# KiCad board k30p-VME.kicad_pcb
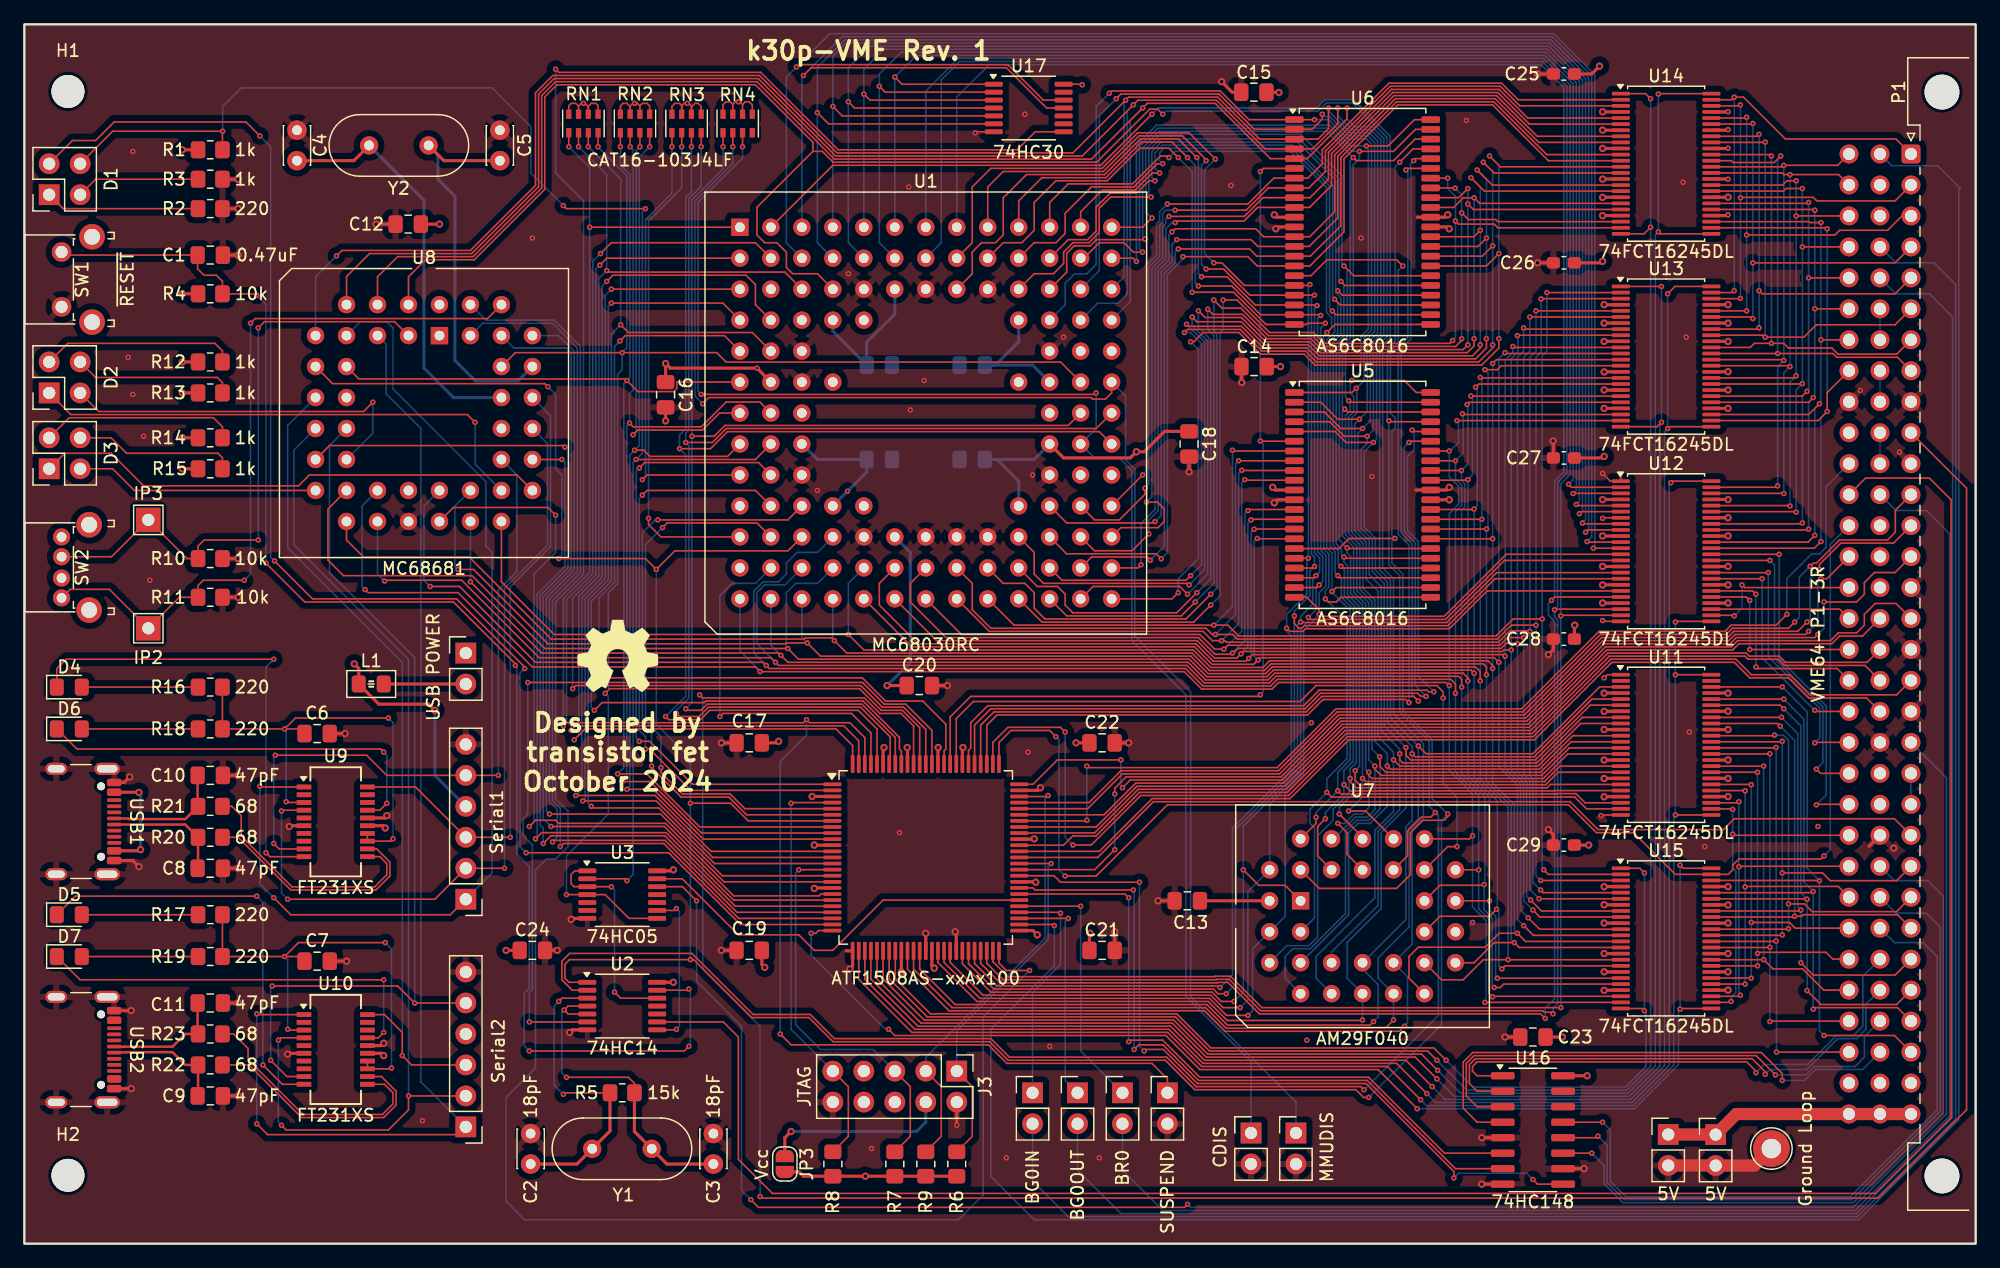
[diagram p0: board, top side]
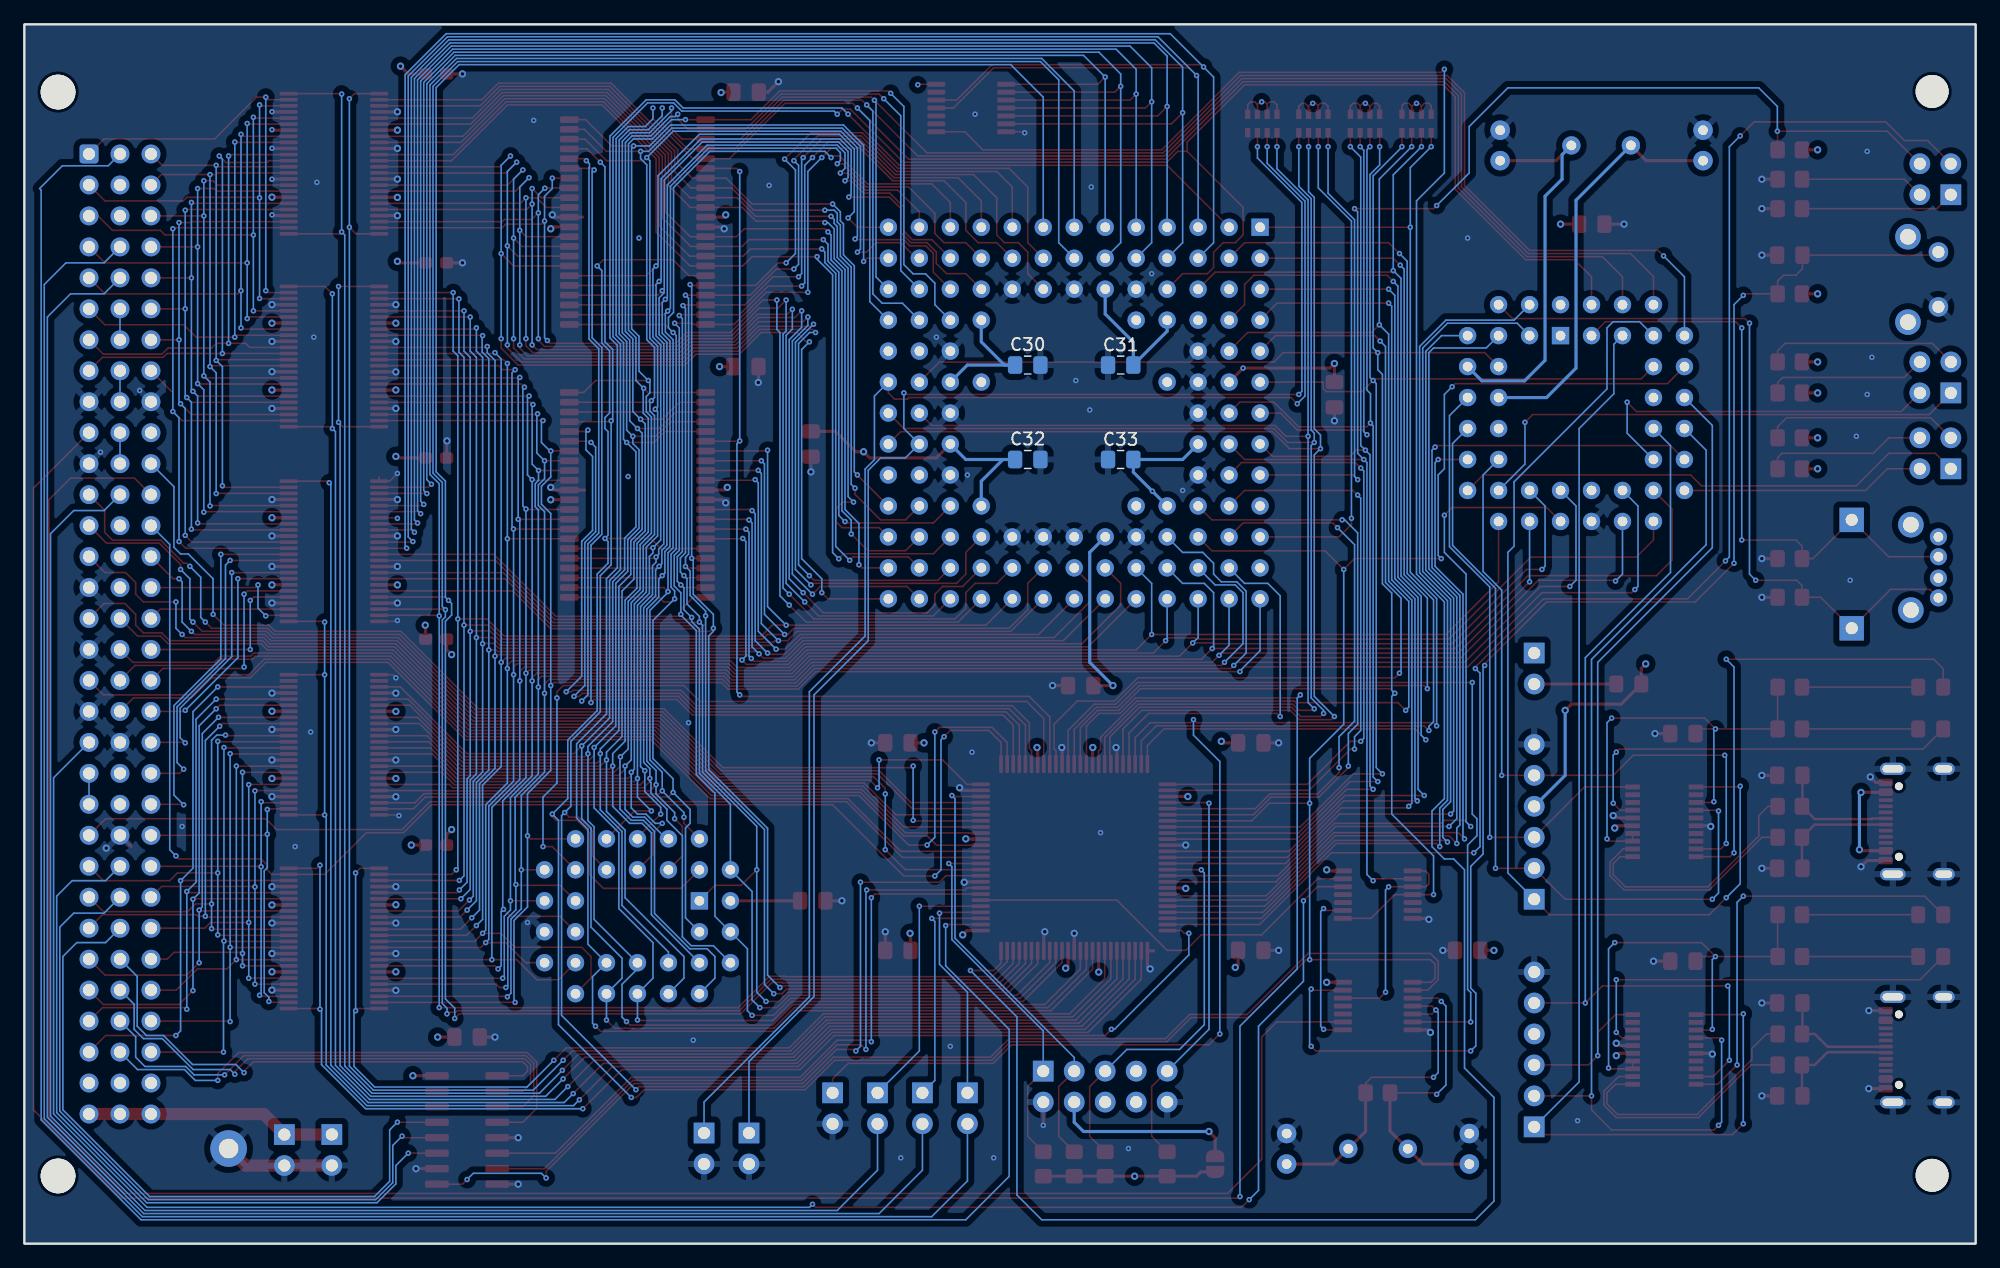
[diagram p1: board, bottom side, seen from below]

Outline 160 x 100 mm; copper layers: Top, In1.Cu, In2.Cu, Bottom. Coordinates in mm from the lower left corner of the outline.
Outline path: rectangle 0,100 160,0
Stack: Top 0.035mm / dielectric 0.1mm FR4 er 4.5 / In1.Cu 0.035mm / dielectric 1.24mm FR4 er 4.5 / In2.Cu 0.035mm / dielectric 0.1mm FR4 er 4.5 / Bottom 0.035mm

## Placement (name value [footprint] x y rotation side)
C1  0.47uF  [C_0805_2012Metric_Pad1.18x1.45mm_HandSolder]  15.24 81.08 0 top
C2  18pF  [C_Disc_D3.0mm_W2.0mm_P2.50mm]  41.51 6.53 90 top
C3  18pF  [C_Disc_D3.0mm_W2.0mm_P2.50mm]  56.5 6.53 90 top
C4  15pF  [C_Disc_D3.0mm_W2.0mm_P2.50mm]  22.35 91.32 270 top
C5  5pF  [C_Disc_D3.0mm_W2.0mm_P2.50mm]  38.99 91.32 270 top
C6  0.1uF  [C_0805_2012Metric_Pad1.18x1.45mm_HandSolder]  24 41.83 0 top
C7  0.1uF  [C_0805_2012Metric_Pad1.18x1.45mm_HandSolder]  24 23.17 0 top
C8  47pF  [C_0805_2012Metric_Pad1.18x1.45mm_HandSolder]  15.24 30.78 0 top
C9  47pF  [C_0805_2012Metric_Pad1.18x1.45mm_HandSolder]  15.24 12.12 0 top
C10  47pF  [C_0805_2012Metric_Pad1.18x1.45mm_HandSolder]  15.24 38.41 0 top
C11  47pF  [C_0805_2012Metric_Pad1.18x1.45mm_HandSolder]  15.24 19.74 0 top
C12  0.1uF  [C_0805_2012Metric_Pad1.18x1.45mm_HandSolder]  31.47 83.62 180 top
C13  0.1uF  [C_0805_2012Metric_Pad1.18x1.45mm_HandSolder]  95.36 28.12 180 top
C14  0.1uF  [C_0805_2012Metric_Pad1.18x1.45mm_HandSolder]  100.84 71.93 180 top
C15  0.1uF  [C_0805_2012Metric_Pad1.18x1.45mm_HandSolder]  100.82 94.44 180 top
C16  0.1uF  [C_0805_2012Metric_Pad1.18x1.45mm_HandSolder]  52.58 69.63 270 top
C17  0.1uF  [C_0805_2012Metric_Pad1.18x1.45mm_HandSolder]  59.44 41.07 180 top
C18  0.1uF  [C_0805_2012Metric_Pad1.18x1.45mm_HandSolder]  95.5 65.58 270 top
C19  0.1uF  [C_0805_2012Metric_Pad1.18x1.45mm_HandSolder]  59.44 24.05 180 top
C20  0.1uF  [C_0805_2012Metric_Pad1.18x1.45mm_HandSolder]  73.38 45.77 0 top
C21  0.1uF  [C_0805_2012Metric_Pad1.18x1.45mm_HandSolder]  88.37 24.05 0 top
C22  0.1uF  [C_0805_2012Metric_Pad1.18x1.45mm_HandSolder]  88.37 41.07 0 top
C23  0.1uF  [C_0805_2012Metric_Pad1.18x1.45mm_HandSolder]  123.7 16.94 180 top
C24  0.1uF  [C_0805_2012Metric_Pad1.18x1.45mm_HandSolder]  41.66 24.05 0 top
C25  0.1uF  [C_0603_1608Metric_Pad1.08x0.95mm_HandSolder]  126.24 95.94 180 top
C26  0.1uF  [C_0603_1608Metric_Pad1.08x0.95mm_HandSolder]  126.24 80.44 180 top
C27  0.1uF  [C_0603_1608Metric_Pad1.08x0.95mm_HandSolder]  126.24 64.44 180 top
C28  0.1uF  [C_0603_1608Metric_Pad1.08x0.95mm_HandSolder]  126.24 49.58 180 top
C29  0.1uF  [C_0603_1608Metric_Pad1.08x0.95mm_HandSolder]  126.24 32.69 180 top
C30  0.1uF  [C_0805_2012Metric_Pad1.18x1.45mm_HandSolder]  77.72 72.06 180 bottom
C31  0.1uF  [C_0805_2012Metric_Pad1.18x1.45mm_HandSolder]  70.1 72.06 0 bottom
C32  0.1uF  [C_0805_2012Metric_Pad1.18x1.45mm_HandSolder]  77.72 64.31 180 bottom
C33  0.1uF  [C_0805_2012Metric_Pad1.18x1.45mm_HandSolder]  70.1 64.31 0 bottom
D1  Harvatek HV-32H307B  [Harvatek_HV-32312-260-2SUB]  3.3 87.3 0 top
D2  Harvatek HV-32312  [Harvatek_HV-32312-260-2SUB]  3.3 71.04 0 top
D3  Harvatek HV-32312  [Harvatek_HV-32312-260-2SUB]  3.3 64.82 0 top
D4  IN  [LED_0805_2012Metric_Pad1.15x1.40mm_HandSolder]  3.68 45.64 0 top
D5  IN  [LED_0805_2012Metric_Pad1.15x1.40mm_HandSolder]  3.68 26.97 0 top
D6  OUT  [LED_0805_2012Metric_Pad1.15x1.40mm_HandSolder]  3.68 42.22 0 top
D7  OUT  [LED_0805_2012Metric_Pad1.15x1.40mm_HandSolder]  3.68 23.55 0 top
H1  MountingHole  [MountingHole_2.7mm_M2.5_DIN965]  3.57 94.5 0 top
H2  MountingHole  [MountingHole_2.7mm_M2.5_DIN965]  3.57 5.6 0 top
J1  5V  [PinHeader_1x02_P2.54mm_Vertical]  138.68 8.94 0 top
J2  5V  [PinHeader_1x02_P2.54mm_Vertical]  134.79 8.95 0 top
J3  JTAG  [PinHeader_2x05_P2.54mm_Vertical]  76.45 14.15 270 top
J4  Serial1  [PinHeader_1x06_P2.54mm_Vertical]  36.2 28.25 180 top
J5  Serial2  [PinHeader_1x06_P2.54mm_Vertical]  36.2 9.58 180 top
JP1  CDIS  [PinHeader_1x02_P2.54mm_Vertical]  100.58 9.07 0 top
JP2  MMUDIS  [PinHeader_1x02_P2.54mm_Vertical]  104.27 9.07 0 top
JP3  Vcc  [SolderJumper-2_P1.3mm_Open_RoundedPad1.0x1.5mm]  62.36 6.53 270 top
JP4  USB POWER  [PinHeader_1x02_P2.54mm_Vertical]  36.2 48.44 0 top
JP5  BG0IN  [PinHeader_1x02_P2.54mm_Vertical]  82.67 12.37 0 top
JP6  BG0OUT  [PinHeader_1x02_P2.54mm_Vertical]  86.36 12.37 0 top
JP7  BR0  [PinHeader_1x02_P2.54mm_Vertical]  90.04 12.37 0 top
JP8  SUSPEND  [PinHeader_1x02_P2.54mm_Vertical]  93.73 12.37 0 top
L1  MI0805K601R-10  [Ferrite_0805_2012Metric_Pad1.15x1.40mm_BigPads]  28.44 45.9 0 top
P1  VME64-P1-3R  [DIN41612_C_3x32_Male_Horizontal_THT]  154.7 89.37 270 top
R1  1k  [R_0805_2012Metric_Pad1.20x1.40mm_HandSolder]  15.24 89.71 180 top
R2  220  [R_0805_2012Metric_Pad1.20x1.40mm_HandSolder]  15.24 84.89 180 top
R3  1k  [R_0805_2012Metric_Pad1.20x1.40mm_HandSolder]  15.24 87.3 180 top
R4  10k  [R_0805_2012Metric_Pad1.20x1.40mm_HandSolder]  15.24 77.9 0 top
R5  15k  [R_0805_2012Metric_Pad1.20x1.40mm_HandSolder]  49.02 12.37 180 top
R6  4.7k  [R_0805_2012Metric_Pad1.20x1.40mm_HandSolder]  76.45 6.53 90 top
R7  4.7k  [R_0805_2012Metric_Pad1.20x1.40mm_HandSolder]  71.37 6.53 90 top
R8  4.7k  [R_0805_2012Metric_Pad1.20x1.40mm_HandSolder]  66.29 6.53 90 top
R9  10k  [R_0805_2012Metric_Pad1.20x1.40mm_HandSolder]  73.91 6.53 90 top
R10  10k  [R_0805_2012Metric_Pad1.20x1.40mm_HandSolder]  15.24 56.19 0 top
R11  10k  [R_0805_2012Metric_Pad1.20x1.40mm_HandSolder]  15.24 53.01 0 top
R12  1k  [R_0805_2012Metric_Pad1.20x1.40mm_HandSolder]  15.24 72.31 180 top
R13  1k  [R_0805_2012Metric_Pad1.20x1.40mm_HandSolder]  15.24 69.77 180 top
R14  1k  [R_0805_2012Metric_Pad1.20x1.40mm_HandSolder]  15.24 66.09 180 top
R15  1k  [R_0805_2012Metric_Pad1.20x1.40mm_HandSolder]  15.24 63.55 180 top
R16  220  [R_0805_2012Metric_Pad1.20x1.40mm_HandSolder]  15.24 45.64 180 top
R17  220  [R_0805_2012Metric_Pad1.20x1.40mm_HandSolder]  15.24 26.97 180 top
R18  220  [R_0805_2012Metric_Pad1.20x1.40mm_HandSolder]  15.24 42.22 180 top
R19  220  [R_0805_2012Metric_Pad1.20x1.40mm_HandSolder]  15.24 23.55 180 top
R20  68  [R_0805_2012Metric_Pad1.20x1.40mm_HandSolder]  15.24 33.33 0 top
R21  68  [R_0805_2012Metric_Pad1.20x1.40mm_HandSolder]  15.24 35.86 0 top
R22  68  [R_0805_2012Metric_Pad1.20x1.40mm_HandSolder]  15.24 14.66 0 top
R23  68  [R_0805_2012Metric_Pad1.20x1.40mm_HandSolder]  15.24 17.2 0 top
RN1  CAT16-103J4LF  [R_Cat16-4]  45.84 91.87 90 top
RN2  CAT16-103J4LF  [R_Cat16-4]  50.07 91.87 90 top
RN3  CAT16-103J4LF  [R_Cat16-4]  54.3 91.87 90 top
RN4  CAT16-103J4LF  [R_Cat16-4]  58.49 91.87 90 top
S1  Logo_Open_Hardware_Small  [OSHW-Symbol_6.7x6mm_SilkScreen]  48.64 48.18 0 top
SW1  ~{RESET}  [E-Switch_TL1105]  3.05 79.08 90 top
SW2  E-Switch TL2243  [E-Switch_TL2243]  3.05 55.46 90 top
TP1  Ground Loop  [TestPoint_Loop_D2.60mm_Drill1.6mm_Beaded]  143.26 7.8 0 top
TP5  IP3  [TestPoint_THTPad_2.0x2.0mm_Drill1.0mm]  10.16 59.36 0 top
TP6  IP2  [TestPoint_THTPad_2.0x2.0mm_Drill1.0mm]  10.16 50.47 0 top
U1  MC68030RC  [PGA-128_13x13_THT-Socket]  58.67 52.88 0 top
U2  74HC14  [TSSOP-14_4.4x5mm_P0.65mm]  49.02 19.48 0 top
U3  74HC05  [TSSOP-14_4.4x5mm_P0.65mm]  49.02 28.63 0 top
U4  ATF1508AS-xxAx100  [TQFP-100_14x14mm_P0.5mm]  73.91 31.67 0 top
U5  AS6C8016  [TSOP-II-44_10.16x18.41mm_P0.8mm]  109.73 61.41 0 top
U6  AS6C8016  [TSOP-II-44_10.16x18.41mm_P0.8mm]  109.73 83.79 0 top
U7  AM29F040  [PLCC-32_THT-Socket]  104.65 28.12 90 top
U8  MC68681  [PLCC-44_THT-Socket]  34.04 74.47 0 top
U9  FT231XS  [SSOP-20_3.9x8.7mm_P0.635mm]  25.53 34.59 0 top
U10  FT231XS  [SSOP-20_3.9x8.7mm_P0.635mm]  25.53 15.93 0 top
U11  74FCT16245DL  [TSSOP-48_6.1x12.5mm_P0.5mm]  134.62 40.91 0 top
U12  74FCT16245DL  [TSSOP-48_6.1x12.5mm_P0.5mm]  134.62 56.78 0 top
U13  74FCT16245DL  [TSSOP-48_6.1x12.5mm_P0.5mm]  134.62 72.75 0 top
U14  74FCT16245DL  [TSSOP-48_6.1x12.5mm_P0.5mm]  134.62 88.57 0 top
U15  74FCT16245DL  [TSSOP-48_6.1x12.5mm_P0.5mm]  134.62 25.03 0 top
U16  74HC148  [SOIC-16_3.9x9.9mm_P1.27mm]  123.7 9.32 0 top
U17  74HC30  [TSSOP-14_4.4x5mm_P0.65mm]  82.35 93.14 0 top
USB1  USB_C_Plug_USB2.0  [USB_C_Receptacle_GCT_USB4105-xx-A_16P_TopMnt_Horizontal]  3.69 34.62 270 top
USB2  USB_C_Plug_USB2.0  [USB_C_Receptacle_GCT_USB4105-xx-A_16P_TopMnt_Horizontal]  3.69 15.91 270 top
Y1  Crystal  [Crystal_HC49-4H_Vertical]  46.56 7.78 0 top
Y2  Crystal  [Crystal_HC49-4H_Vertical]  33.15 90.07 180 top

## Library data of the parts
C1-C33 = -: ki_fp_filters: C_*
D1-D3 = -: ki_fp_filters: LED* LED_SMD:* LED_THT:*
D4-D7 = -: Description: Light emitting diode, small symbol; ki_fp_filters: LED* LED_SMD:* LED_THT:*
H1 H2 = -: ki_fp_filters: MountingHole*
J1 J2 = -: ki_fp_filters: Connector*:*_1x??_*
J3 = -: Description: Generic connector, double row, 02x05, odd/even pin numbering scheme (row 1 odd numbers, row 2 even numbers), script generated (kicad-library-utils/schlib/autogen/connector/); ki_fp_filters: Connector*:*_2x??_*
J4 J5 = -: Description: Generic connector, single row, 01x06, script generated; ki_fp_filters: Connector*:*_1x??_*
JP1 JP2 JP4-JP8 = -: ki_fp_filters: Jumper* TestPoint*2Pads* TestPoint*Bridge*
JP3 = -: Description: Solder Jumper, 2-pole, open; ki_fp_filters: SolderJumper*Open*
L1 = -: ki_fp_filters: Choke_* *Coil* Inductor_* L_*
P1 = -: Description: VME64 P1 (Board-side Headers), 3 Row DIN41612 Connector
R1-R5 R10-R23 = -: ki_fp_filters: R_*
R6-R9 = -: Description: Resistor, small symbol; ki_fp_filters: R_*
RN1-RN4 = -: Description: 4 resistor network, parallel topology; ki_fp_filters: DIP* SOIC* R*Array*Concave* R*Array*Convex* MSOP*
TP1 TP5 TP6 = -: ki_fp_filters: Pin* Test*
U2 = -: Datasheet: http://www.ti.com/lit/gpn/sn74HC14; Description: Hex inverter schmitt trigger; ki_fp_filters: DIP*W7.62mm*
U3 = -: Datasheet: http://www.ti.com/lit/gpn/sn74LS05; ki_fp_filters: DIP*W7.62mm*
U4 = -: Datasheet: https://ww1.microchip.com/downloads/en/DeviceDoc/doc0784.pdf; Description: Microchip CPLD, 128 Macrocell, 5 V, 100-TQFP; ki_fp_filters: TQFP*10x10mm*P0.8mm*
U5 U6 = -: Datasheet: https://www.alliancememory.com/wp-content/uploads/pdf/lp_sram/AS6C8016.pdf; Description: 512K x 8 High-Speed CMOS Static RAM, 55/70ns, TSSOP-II 44; ki_fp_filters: DIP*W15.24mm* SSOP*11.305x20.495mm*P1.27mm*
U7 = -: Datasheet: https://www.mouser.ca/datasheet/2/196/spansion_inc_am29f040b_eol_21445e8-3004346.pdf; Description: 4-Mbit (512Kx8) Flash Memory, PLCC-44
U9 U10 = -: Datasheet: https://www.ftdichip.com/Support/Documents/DataSheets/ICs/DS_FT231X.pdf; Description: Full Speed USB to Full Handshake UART, SSOP-20; ki_fp_filters: *SSOP*3.9x8.7mm*P0.635mm*
U11-U15 = -: Datasheet: https://www.renesas.com/en/document/dst/5474fct16245t-datasheet; ki_fp_filters: TSSOP*6.1x12.5mm*P0.5mm*
U16 = -: Datasheet: http://www.ti.com/lit/gpn/sn74LS148; ki_fp_filters: DIP?16*
U17 = -: Datasheet: http://www.ti.com/lit/gpn/sn74LS30; Description: 8-input NAND; ki_fp_filters: DIP*W7.62mm*
USB1 USB2 = -: Datasheet: https://www.usb.org/sites/default/files/documents/usb_type-c.zip; Description: USB 2.0-only Type-C Plug connector; ki_fp_filters: USB*C*Plug*
Y1 Y2 = -: ki_fp_filters: Crystal*

## Footprints (pads in the part's own frame, mm; a bottom-side part is the same pattern mirrored in y, then rotated)
C_0603_1608Metric_Pad1.08x0.95mm_HandSolder
  rrect 1.075x0.95 smd: 1(-0.863,0) 2(0.863,0)
C_0805_2012Metric_Pad1.18x1.45mm_HandSolder
  rrect 1.175x1.45 smd: 1(-1.038,0) 2(1.038,0)
C_Disc_D3.0mm_W2.0mm_P2.50mm
  round 1.6 hole 0.8: 1(0,0) 2(2.5,0)
Crystal_HC49-4H_Vertical
  round 1.5 hole 0.8: 1(0,0) 2(4.88,0)
DIN41612_C_3x32_Male_Horizontal_THT
  round 2.85 hole 2.85 unplated: (-5.08,2.54) (83.82,2.54)
  rrect 1.55x1.55 hole 1: a1(0,0)
  round 1.55 hole 1: a2(2.54,0) a3(5.08,0) a4(7.62,0) a5(10.16,0) a6(12.7,0) a7(15.24,0) a8(17.78,0) a9(20.32,0) a10(22.86,0) a11(25.4,0) a12(27.94,0) a13(30.48,0) a14(33.02,0) a15(35.56,0) a16(38.1,0) a17(40.64,0) a18(43.18,0) a19(45.72,0) a20(48.26,0) a21(50.8,0) a22(53.34,0) a23(55.88,0) a24(58.42,0) a25(60.96,0) a26(63.5,0) a27(66.04,0) a28(68.58,0) a29(71.12,0) a30(73.66,0) a31(76.2,0) a32(78.74,0) b1(0,-2.54) b2(2.54,-2.54) b3(5.08,-2.54) b4(7.62,-2.54) b5(10.16,-2.54) b6(12.7,-2.54) b7(15.24,-2.54) b8(17.78,-2.54) b9(20.32,-2.54) b10(22.86,-2.54) b11(25.4,-2.54) b12(27.94,-2.54) b13(30.48,-2.54) b14(33.02,-2.54) b15(35.56,-2.54) b16(38.1,-2.54) b17(40.64,-2.54) b18(43.18,-2.54) b19(45.72,-2.54) b20(48.26,-2.54) b21(50.8,-2.54) b22(53.34,-2.54) b23(55.88,-2.54) b24(58.42,-2.54) b25(60.96,-2.54) b26(63.5,-2.54) b27(66.04,-2.54) b28(68.58,-2.54) b29(71.12,-2.54) b30(73.66,-2.54) b31(76.2,-2.54) b32(78.74,-2.54) c1(0,-5.08) c2(2.54,-5.08) c3(5.08,-5.08) c4(7.62,-5.08) c5(10.16,-5.08) c6(12.7,-5.08) c7(15.24,-5.08) c8(17.78,-5.08) c9(20.32,-5.08) c10(22.86,-5.08) c11(25.4,-5.08) c12(27.94,-5.08) c13(30.48,-5.08) c14(33.02,-5.08) c15(35.56,-5.08) c16(38.1,-5.08) c17(40.64,-5.08) c18(43.18,-5.08) c19(45.72,-5.08) c20(48.26,-5.08) c21(50.8,-5.08) c22(53.34,-5.08) c23(55.88,-5.08) c24(58.42,-5.08) c25(60.96,-5.08) c26(63.5,-5.08) c27(66.04,-5.08) c28(68.58,-5.08) c29(71.12,-5.08) c30(73.66,-5.08) c31(76.2,-5.08) c32(78.74,-5.08)
E-Switch_TL1105
  round 2.1 hole 1.3: (-3.5,-2.5) (3.5,-2.5)
  round 1.6 hole 1: 1(-2.25,0) 2(2.25,0)
E-Switch_TL2243
  round 2.1 hole 1.3: (-3.5,-2.26) (3.5,-2.26)
  round 1.4 hole 0.8: 1(-2.5,0) 2(-0.875,0) 3(0.875,0) 4(2.5,0)
Ferrite_0805_2012Metric_Pad1.15x1.40mm_BigPads
  rrect 1.15x1.4 smd: 1(-1.025,0) 2(1.025,0)
Harvatek_HV-32312-260-2SUB
  oval 1.7x1.7 hole 1: 1(1.27,1.27) 2(1.27,-1.27) 3(-1.27,1.27)
  rect 1.7x1.7 hole 1: 4(-1.27,-1.27)
LED_0805_2012Metric_Pad1.15x1.40mm_HandSolder
  rrect 1.15x1.4 smd: 1(-1.025,0) 2(1.025,0)
MountingHole_2.7mm_M2.5_DIN965
  round 2.7 hole 2.7 unplated: (0,0)
PGA-128_13x13_THT-Socket
  rect 1.422x1.422 hole 0.8: A1(0,30.48)
  round 1.422 hole 0.8: A2(2.54,30.48) A3(5.08,30.48) A4(7.62,30.48) A5(10.16,30.48) A6(12.7,30.48) A7(15.24,30.48) A8(17.78,30.48) A9(20.32,30.48) A10(22.86,30.48) A11(25.4,30.48) A12(27.94,30.48) A13(30.48,30.48) B1(0,27.94) B2(2.54,27.94) B3(5.08,27.94) B4(7.62,27.94) B5(10.16,27.94) B6(12.7,27.94) B7(15.24,27.94) B8(17.78,27.94) B9(20.32,27.94) B10(22.86,27.94) B11(25.4,27.94) B12(27.94,27.94) B13(30.48,27.94) C1(0,25.4) C2(2.54,25.4) C3(5.08,25.4) C4(7.62,25.4) C5(10.16,25.4) C6(12.7,25.4) C7(15.24,25.4) C8(17.78,25.4) C9(20.32,25.4) C10(22.86,25.4) C11(25.4,25.4) C12(27.94,25.4) C13(30.48,25.4) D1(0,22.86) D2(2.54,22.86) D3(5.08,22.86) D4(7.62,22.86) D5(10.16,22.86) D10(22.86,22.86) D11(25.4,22.86) D12(27.94,22.86) D13(30.48,22.86) E1(0,20.32) E2(2.54,20.32) E3(5.08,20.32) E11(25.4,20.32) E12(27.94,20.32) E13(30.48,20.32) F1(0,17.78) F2(2.54,17.78) F3(5.08,17.78) F4(7.62,17.78) F10(22.86,17.78) F11(25.4,17.78) F12(27.94,17.78) F13(30.48,17.78) G1(0,15.24) G2(2.54,15.24) G3(5.08,15.24) G11(25.4,15.24) G12(27.94,15.24) G13(30.48,15.24) H1(0,12.7) H2(2.54,12.7) H3(5.08,12.7) H11(25.4,12.7) H12(27.94,12.7) H13(30.48,12.7) J1(0,10.16) J2(2.54,10.16) J3(5.08,10.16) J11(25.4,10.16) J12(27.94,10.16) J13(30.48,10.16) K1(0,7.62) K2(2.54,7.62) K3(5.08,7.62) K4(7.62,7.62) K5(10.16,7.62) K10(22.86,7.62) K11(25.4,7.62) K12(27.94,7.62) K13(30.48,7.62) L1(0,5.08) L2(2.54,5.08) L3(5.08,5.08) L4(7.62,5.08) L5(10.16,5.08) L6(12.7,5.08) L7(15.24,5.08) L8(17.78,5.08) L9(20.32,5.08) L10(22.86,5.08) L11(25.4,5.08) L12(27.94,5.08) L13(30.48,5.08) M1(0,2.54) M2(2.54,2.54) M3(5.08,2.54) M4(7.62,2.54) M5(10.16,2.54) M6(12.7,2.54) M7(15.24,2.54) M8(17.78,2.54) M9(20.32,2.54) M10(22.86,2.54) M11(25.4,2.54) M12(27.94,2.54) M13(30.48,2.54) N1(0,0) N2(2.54,0) N3(5.08,0) N4(7.62,0) N5(10.16,0) N6(12.7,0) N7(15.24,0) N8(17.78,0) N9(20.32,0) N10(22.86,0) N11(25.4,0) N12(27.94,0) N13(30.48,0)
PinHeader_1x02_P2.54mm_Vertical
  rect 1.7x1.7 hole 1: 1(0,0)
  oval 1.7x1.7 hole 1: 2(0,-2.54)
PinHeader_1x06_P2.54mm_Vertical
  rect 1.7x1.7 hole 1: 1(0,0)
  oval 1.7x1.7 hole 1: 2(0,-2.54) 3(0,-5.08) 4(0,-7.62) 5(0,-10.16) 6(0,-12.7)
PinHeader_2x05_P2.54mm_Vertical
  rect 1.7x1.7 hole 1: 1(0,0)
  oval 1.7x1.7 hole 1: 2(2.54,0) 3(0,-2.54) 4(2.54,-2.54) 5(0,-5.08) 6(2.54,-5.08) 7(0,-7.62) 8(2.54,-7.62) 9(0,-10.16) 10(2.54,-10.16)
PLCC-32_THT-Socket
  rect 1.422x1.422 hole 0.8: 1(0,0)
  round 1.422 hole 0.8: 2(-2.54,2.54) 3(-2.54,0) 4(-5.08,2.54) 5(-7.62,0) 6(-5.08,0) 7(-7.62,-2.54) 8(-5.08,-2.54) 9(-7.62,-5.08) 10(-5.08,-5.08) 11(-7.62,-7.62) 12(-5.08,-7.62) 13(-7.62,-10.16) 14(-5.08,-12.7) 15(-5.08,-10.16) 16(-2.54,-12.7) 17(-2.54,-10.16) 18(0,-12.7) 19(0,-10.16) 20(2.54,-12.7) 21(5.08,-10.16) 22(2.54,-10.16) 23(5.08,-7.62) 24(2.54,-7.62) 25(5.08,-5.08) 26(2.54,-5.08) 27(5.08,-2.54) 28(2.54,-2.54) 29(5.08,0) 30(2.54,2.54) 31(2.54,0) 32(0,2.54)
PLCC-44_THT-Socket
  rect 1.422x1.422 hole 0.8: 1(0,0)
  round 1.422 hole 0.8: 2(-2.54,2.54) 3(-2.54,0) 4(-5.08,2.54) 5(-5.08,0) 6(-7.62,2.54) 7(-10.16,0) 8(-7.62,0) 9(-10.16,-2.54) 10(-7.62,-2.54) 11(-10.16,-5.08) 12(-7.62,-5.08) 13(-10.16,-7.62) 14(-7.62,-7.62) 15(-10.16,-10.16) 16(-7.62,-10.16) 17(-10.16,-12.7) 18(-7.62,-15.24) 19(-7.62,-12.7) 20(-5.08,-15.24) 21(-5.08,-12.7) 22(-2.54,-15.24) 23(-2.54,-12.7) 24(0,-15.24) 25(0,-12.7) 26(2.54,-15.24) 27(2.54,-12.7) 28(5.08,-15.24) 29(7.62,-12.7) 30(5.08,-12.7) 31(7.62,-10.16) 32(5.08,-10.16) 33(7.62,-7.62) 34(5.08,-7.62) 35(7.62,-5.08) 36(5.08,-5.08) 37(7.62,-2.54) 38(5.08,-2.54) 39(7.62,0) 40(5.08,2.54) 41(5.08,0) 42(2.54,2.54) 43(2.54,0) 44(0,2.54)
R_0805_2012Metric_Pad1.20x1.40mm_HandSolder
  rrect 1.2x1.4 smd: 1(-1,0) 2(1,0)
R_Cat16-4
  rect 0.76x0.43 smd: 1(-0.76,1.2) 2(-0.76,0.4) 3(-0.76,-0.4) 4(-0.76,-1.2) 5(0.76,-1.2) 6(0.76,-0.4) 7(0.76,0.4) 8(0.76,1.2)
SOIC-16_3.9x9.9mm_P1.27mm
  rrect 1.95x0.6 smd: 1(-2.475,4.445) 2(-2.475,3.175) 3(-2.475,1.905) 4(-2.475,0.635) 5(-2.475,-0.635) 6(-2.475,-1.905) 7(-2.475,-3.175) 8(-2.475,-4.445) 9(2.475,-4.445) 10(2.475,-3.175) 11(2.475,-1.905) 12(2.475,-0.635) 13(2.475,0.635) 14(2.475,1.905) 15(2.475,3.175) 16(2.475,4.445)
SolderJumper-2_P1.3mm_Open_RoundedPad1.0x1.5mm
  custom 1x1.5 smd: 1(-0.65,0) 2(0.65,0)
SSOP-20_3.9x8.7mm_P0.635mm
  rect 1.2x0.4 smd: 1(-2.6,2.857) 2(-2.6,2.223) 3(-2.6,1.587) 4(-2.6,0.953) 5(-2.6,0.318) 6(-2.6,-0.318) 7(-2.6,-0.953) 8(-2.6,-1.587) 9(-2.6,-2.223) 10(-2.6,-2.857) 11(2.6,-2.857) 12(2.6,-2.223) 13(2.6,-1.587) 14(2.6,-0.953) 15(2.6,-0.318) 16(2.6,0.318) 17(2.6,0.953) 18(2.6,1.587) 19(2.6,2.223) 20(2.6,2.857)
TestPoint_Loop_D2.60mm_Drill1.6mm_Beaded
  round 3 hole 1.6: 1(0,0)
TestPoint_THTPad_2.0x2.0mm_Drill1.0mm
  rect 2x2 hole 1: 1(0,0)
TQFP-100_14x14mm_P0.5mm
  rrect 1.475x0.3 smd: 1(-7.662,6) 2(-7.662,5.5) 3(-7.662,5) 4(-7.662,4.5) 5(-7.662,4) 6(-7.662,3.5) 7(-7.662,3) 8(-7.662,2.5) 9(-7.662,2) 10(-7.662,1.5) 11(-7.662,1) 12(-7.662,0.5) 13(-7.662,0) 14(-7.662,-0.5) 15(-7.662,-1) 16(-7.662,-1.5) 17(-7.662,-2) 18(-7.662,-2.5) 19(-7.662,-3) 20(-7.662,-3.5) 21(-7.662,-4) 22(-7.662,-4.5) 23(-7.662,-5) 24(-7.662,-5.5) 25(-7.662,-6) 51(7.662,-6) 52(7.662,-5.5) 53(7.662,-5) 54(7.662,-4.5) 55(7.662,-4) 56(7.662,-3.5) 57(7.662,-3) 58(7.662,-2.5) 59(7.662,-2) 60(7.662,-1.5) 61(7.662,-1) 62(7.662,-0.5) 63(7.662,0) 64(7.662,0.5) 65(7.662,1) 66(7.662,1.5) 67(7.662,2) 68(7.662,2.5) 69(7.662,3) 70(7.662,3.5) 71(7.662,4) 72(7.662,4.5) 73(7.662,5) 74(7.662,5.5) 75(7.662,6)
  rrect 0.3x1.475 smd: 26(-6,-7.662) 27(-5.5,-7.662) 28(-5,-7.662) 29(-4.5,-7.662) 30(-4,-7.662) 31(-3.5,-7.662) 32(-3,-7.662) 33(-2.5,-7.662) 34(-2,-7.662) 35(-1.5,-7.662) 36(-1,-7.662) 37(-0.5,-7.662) 38(0,-7.662) 39(0.5,-7.662) 40(1,-7.662) 41(1.5,-7.662) 42(2,-7.662) 43(2.5,-7.662) 44(3,-7.662) 45(3.5,-7.662) 46(4,-7.662) 47(4.5,-7.662) 48(5,-7.662) 49(5.5,-7.662) 50(6,-7.662) 76(6,7.662) 77(5.5,7.662) 78(5,7.662) 79(4.5,7.662) 80(4,7.662) 81(3.5,7.662) 82(3,7.662) 83(2.5,7.662) 84(2,7.662) 85(1.5,7.662) 86(1,7.662) 87(0.5,7.662) 88(0,7.662) 89(-0.5,7.662) 90(-1,7.662) 91(-1.5,7.662) 92(-2,7.662) 93(-2.5,7.662) 94(-3,7.662) 95(-3.5,7.662) 96(-4,7.662) 97(-4.5,7.662) 98(-5,7.662) 99(-5.5,7.662) 100(-6,7.662)
TSOP-II-44_10.16x18.41mm_P0.8mm
  rrect 1.525x0.55 smd: 1(-5.588,8.4) 2(-5.588,7.6) 3(-5.588,6.8) 4(-5.588,6) 5(-5.588,5.2) 6(-5.588,4.4) 7(-5.588,3.6) 8(-5.588,2.8) 9(-5.588,2) 10(-5.588,1.2) 11(-5.588,0.4) 12(-5.588,-0.4) 13(-5.588,-1.2) 14(-5.588,-2) 15(-5.588,-2.8) 16(-5.588,-3.6) 17(-5.588,-4.4) 18(-5.588,-5.2) 19(-5.588,-6) 20(-5.588,-6.8) 21(-5.588,-7.6) 22(-5.588,-8.4) 23(5.588,-8.4) 24(5.588,-7.6) 25(5.588,-6.8) 26(5.588,-6) 27(5.588,-5.2) 28(5.588,-4.4) 29(5.588,-3.6) 30(5.588,-2.8) 31(5.588,-2) 32(5.588,-1.2) 33(5.588,-0.4) 34(5.588,0.4) 35(5.588,1.2) 36(5.588,2) 37(5.588,2.8) 38(5.588,3.6) 39(5.588,4.4) 40(5.588,5.2) 41(5.588,6) 42(5.588,6.8) 43(5.588,7.6) 44(5.588,8.4)
TSSOP-14_4.4x5mm_P0.65mm
  rrect 1.475x0.4 smd: 1(-2.862,1.95) 2(-2.862,1.3) 3(-2.862,0.65) 4(-2.862,0) 5(-2.862,-0.65) 6(-2.862,-1.3) 7(-2.862,-1.95) 8(2.862,-1.95) 9(2.862,-1.3) 10(2.862,-0.65) 11(2.862,0) 12(2.862,0.65) 13(2.862,1.3) 14(2.862,1.95)